# Altium PCB 松菸_幻影光靈_屍禁_提燈.PcbDoc
Units mil, origin at the board's own origin, x right, y up, seen from the top; angles counter-clockwise.
Board outline 3937.01 x 3937.01 mil, 4 copper layers (Top Layer, Layer 1, Layer 2, Bottom Layer), stack 23.756 mil thick; 33 components, 29 nets, 217 pads, 23 vias.
Unrouted connection lines stored in the file: 4.
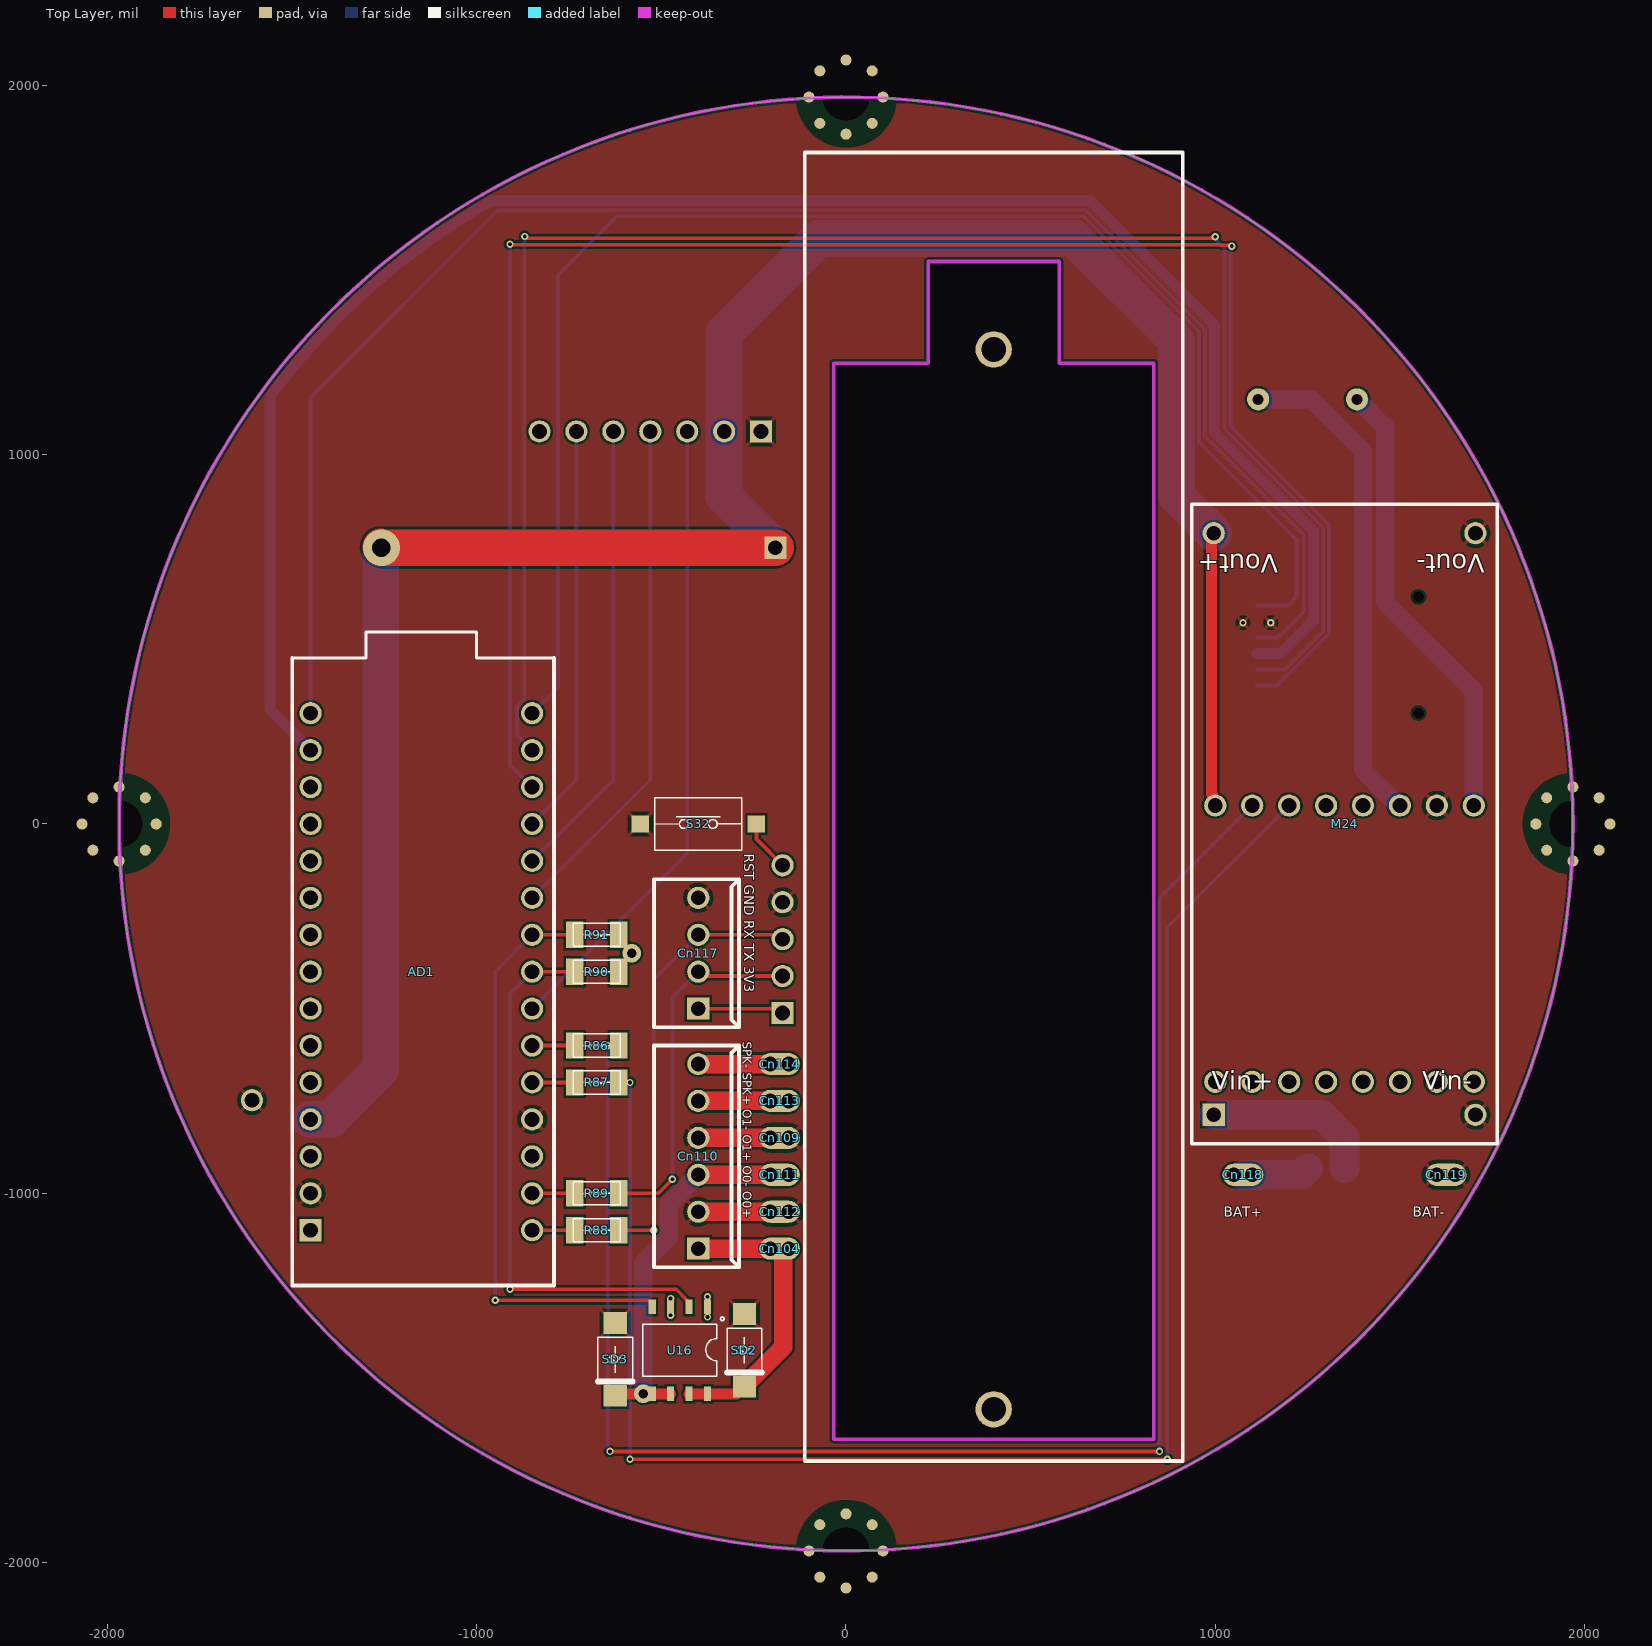
[diagram p0: Top Layer view]
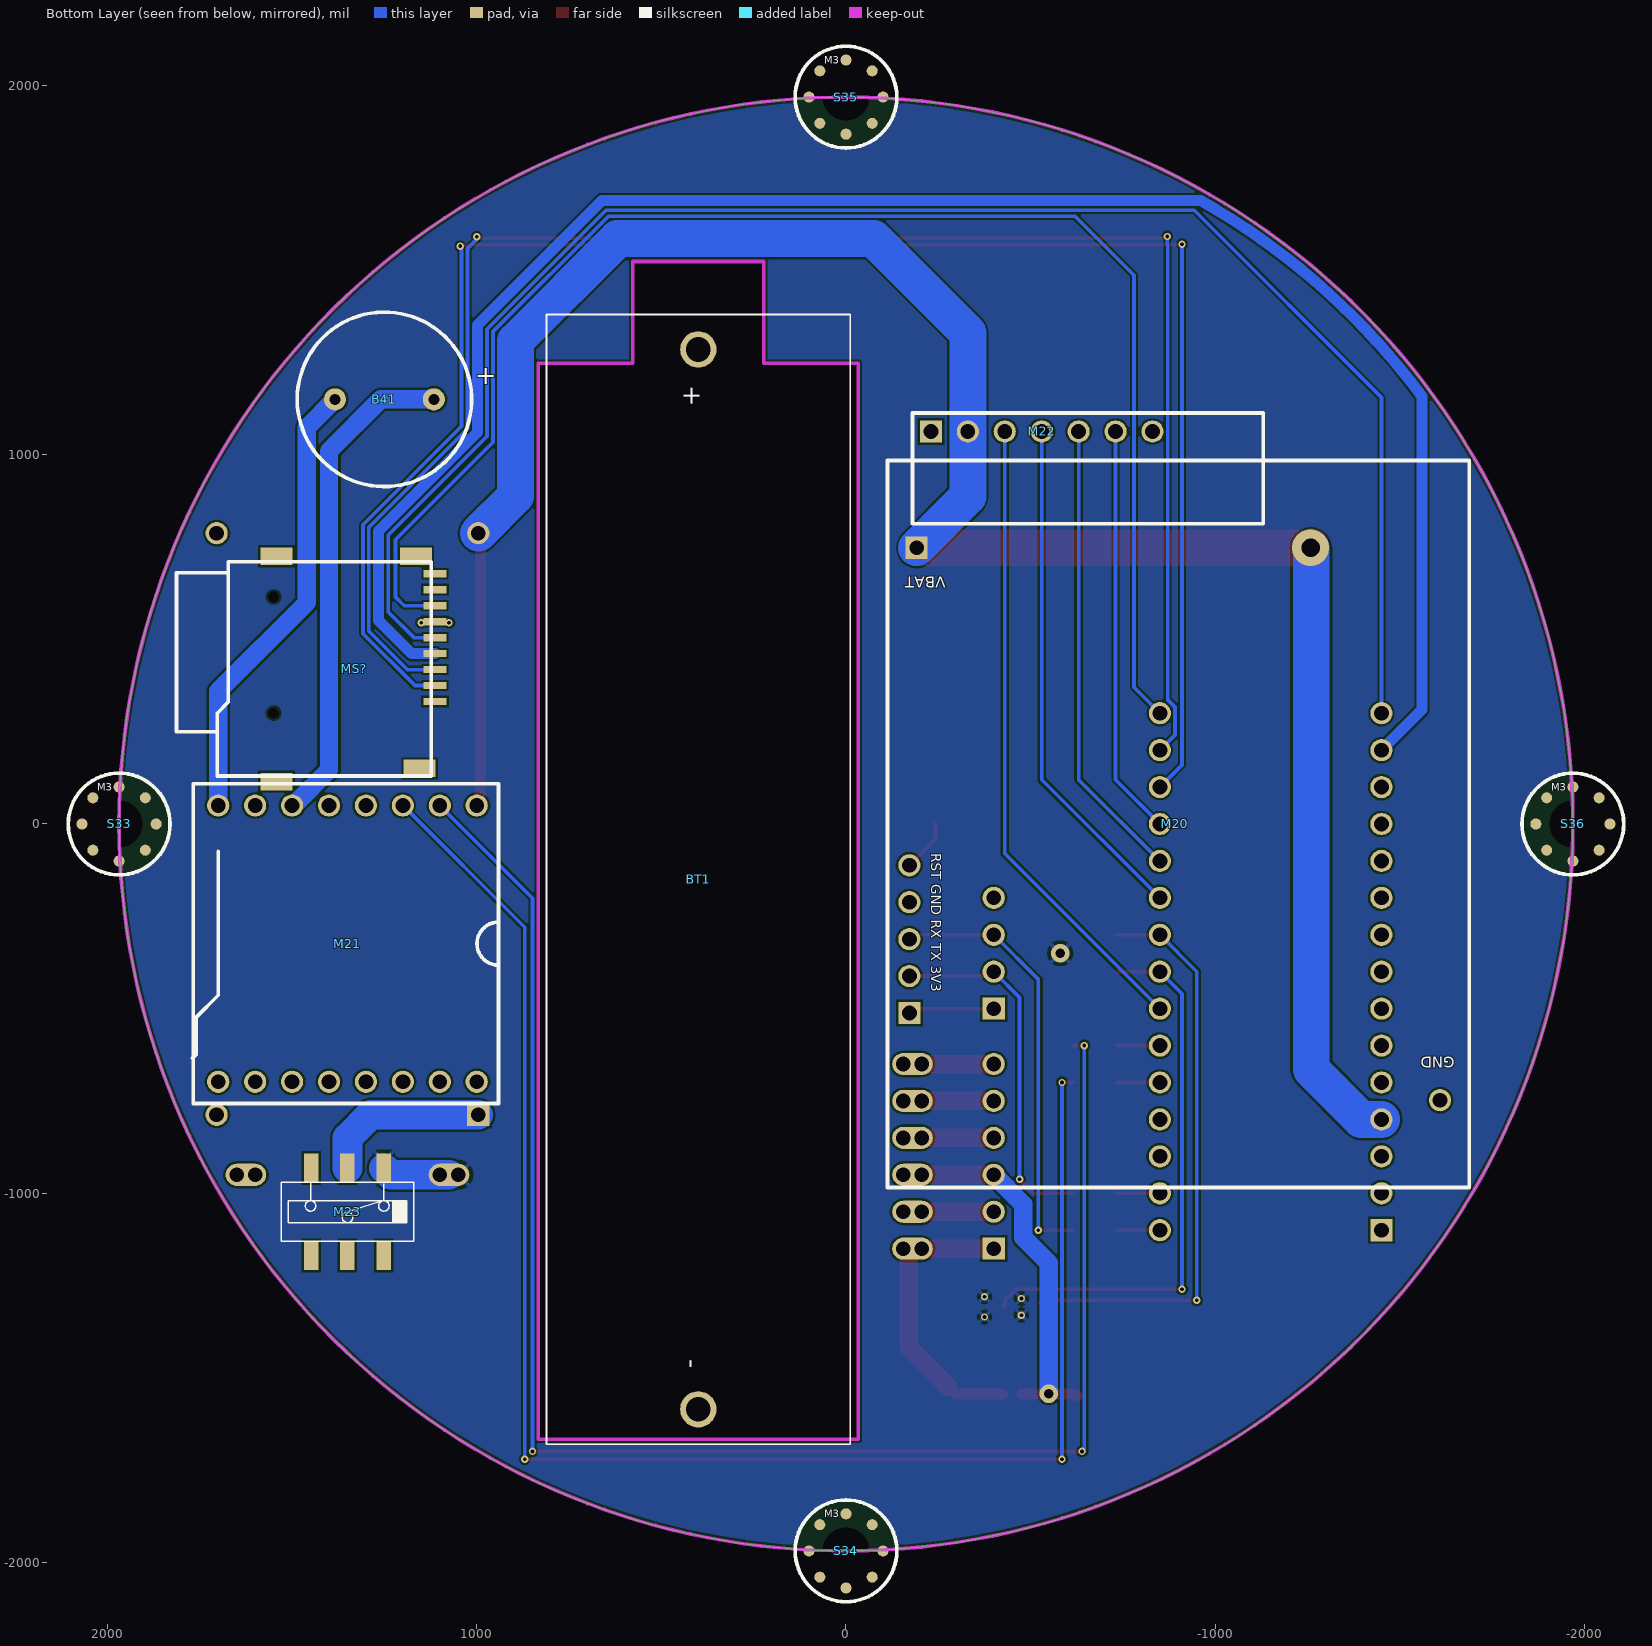
[diagram p1: Bottom Layer view, seen from below]

## Layer stack, top to bottom
Top Solder: solder mask 0.4, Solder Resist, Dk 3.5
Top Layer: signal copper 1.4
Dielectric 2: prepreg 2.8, PP-006, Dk 4.1
Layer 1: signal copper 1.378
Dielectric 1: dielectric 12.6, FR-4, Dk 4.8
Layer 2: signal copper 1.378
Dielectric 3: prepreg 2.8, PP-006, Dk 4.1
Bottom Layer: signal copper 1.4
Bottom Solder: solder mask 0.4, Solder Resist, Dk 3.5

## Board outline
-1968.5,0 ccw(c0,0) 0,-1968.5 ccw(c0,0) 1968.51,0 ccw(c0,0) 0,1968.51 ccw(c0,0)
cut-out: -33.07,-1665.75 -33.07,1247.64 222.83,1247.64 222.83,1523.23 577.17,1523.23 577.17,1247.64 833.07,1247.64 833.07,-1665.75

## Design rules (kind name [scope] priority, off if disabled: settings)
Clearance [All] p1: gap=6 ignorepadtopadclearanceinfootprint=FALSE
ComponentClearance [All] p1: gap=0 collisioncheckmode=3 verticalgap=0 showdistances=FALSE
DiffPairsRouting [All] p1: maxlimit=10 minlimit=10 mostfreqgap=10 toplayer_minwidth=6 toplayer_maxwidth=15 toplayer_prefwidth=15 midlayer1_minwidth=6 midlayer1_maxwidth=15 midlayer1_prefwidth=15 midlayer2_minwidth=6 midlayer2_maxwidth=15 midlayer2_prefwidth=15 bottomlayer_minwidth=6 bottomlayer_maxwidth=15 bottomlayer_prefwidth=15 maxuncoupledlength=500
Height [All] p1: minheight=0 maxheight=2000 prefheight=500
PolygonConnect [All] p1: connectstyle=Relief reliefconductorwidth=10 reliefentries=4 polygonreliefangle="45 Angle" airgapwidth=10
RoutingVias [All] p1: holewidth=28 width=50 viastyle="Through Hole" minholewidth=10 minwidth=20 maxholewidth=50 maxwidth=100
SolderMaskExpansion [All] p1: expansion=4 istentingtop=FALSE
Width [All] p1: maxlimit=100 minlimit=6 preferedwidth=10 minimp=50.000000 maximp=50.000000 favimp=50.000000
27 further rules are at their usual default settings.

## Components (designator, comment, footprint, x,y, rotation, side; value= is the part's Value field where it differs from the comment)
AD1 "Arduino NANO" "Arduino NANO" -850,-1100 r180 top
B41 "FMB1275-05" Buzzer_12085 1250,1150 r180 bottom
BT1 "18650" Battery_18650 400,-150 r270 bottom
Cn104 "Contact" "Conntact_Stamp hole_0.6\"" -155,-1150 r270 top
Cn109 "Contact" "Conntact_Stamp hole_0.6\"" -155,-850 r270 top
Cn110 "KF2510-6" Connector_KF2510-6A -400,-1150 r180 top
Cn111 "Contact" "Conntact_Stamp hole_0.6\"" -155,-950 r270 top
Cn112 "Contact" "Conntact_Stamp hole_0.6\"" -155,-1050 r270 top
Cn113 "Contact" "Conntact_Stamp hole_0.6\"" -155,-750 r270 top
Cn114 "Contact" "Conntact_Stamp hole_0.6\"" -155,-650 r270 top
Cn117 "KF2510-4" Connector_KF2510-4A -400,-500 r180 top
Cn118 "Contact" "Conntact_Stamp hole_0.6\"" 1050,-950 r90 top
Cn119 "Contact" "Conntact_Stamp hole_0.6\"" 1600,-950 r90 top
M20 "HH_W600_V2.0" HH_W600_V2.0 -900,0 r0 bottom
M21 "mp3-tf-16p" BY8001-16P 1000,-324.02 r270 bottom
M22 "XR390" "XR390 Module" -229.92,1062.99 r0 bottom
M23 "MST22D18G2" Switch_MST22D18G2 1350,-1050 r0 bottom
M24 "LM2596" "LM2596 Module" 1350,0 r90 top
MS? "Interface_MicroSD card slot" "Interface_MicroSD card slot" 1112.99,416.14 r90 bottom
R86 "1K" Res-1206 -675,-600 r180 top
R87 "1K" Res-1206 -675,-700 r180 top
R88 "1K" Res-1206 -675,-1100 r180 top
R89 "1K" Res-1206 -675,-1000 r180 top
R90 "1K" Res-1206 -675,-400 r180 top
R91 "1K" Res-1206 -675,-300 r180 top
S32 "Switch" "Switch SMD-3.6*6*2.5" -400,0 r0 top
S33 "M3" "Screw M3" 1968.5,0 r180 bottom
S34 "M3" "Screw M3" 0,-1968.5 r180 bottom
S35 "M3" "Screw M3" 0,1968.5 r180 bottom
S36 "M3" "Screw M3" -1968.5,0 r180 bottom
SD2 "SS56" Diode_SMA -275,-1425 r90 top
SD3 "SS56" Diode_SMA -625,-1450 r90 top
U16 "AO4801" SOP-8 -450,-1425 r270 top

## Footprints (in the part's own frame and the unit in brackets; to place one, negate y for a bottom-side part, rotate by r counter-clockwise, add the part's x,y. Pads: shape width x height; smd on the part's side, far side on the other; paste and mask are expansions set on the pad)
"Arduino NANO" [mil] "Arduino單晶片"
  rect 60x60 hole 40: 1(600,0)
  round 60 hole 40: 2(0,-300) 2(600,-100) 3(600,-300) 4(0,-200) 4(600,-200) 5(600,-1300) 6(600,-1200) 7(0,-100) 8(0,0) 9(0,-400) 10(0,-500) 11(0,-600) 12(0,-700) 13(0,-800) 14(0,-900) 15(0,-1000) 16(0,-1100) 17(0,-1200) 18(0,-1300) 19(0,-1400) 20(600,-1400) 21(600,-1100) 22(600,-1000) 23(600,-900) 24(600,-800) 25(600,-700) 26(600,-600) 27(600,-500) 28(600,-400)
  silkscreen extent -59,-1620 650,150, body extent -59,-1622 650,150, height 831
Battery_18650 [mm] "3.7V充電離電池"
  round 2.5 hole 1.7: 1(-36.45,0) 2(36.45,0)
  silkscreen extent -38.85,-10.45 38.85,10.45, body extent -38.48,-10.49 38.48,10.49, height 21.91
Buzzer_12085 [mil] "蜂鳴器"
  round 60 hole 30: 1(133.86,0) 2(-133.86,0)
  silkscreen extent -236,-236 236,236
BY8001-16P [mil] "TTL Serial MP3播放模組"
  round 60 hole 40: 1(-374.02,0) 2(-374.02,-100) 3(-374.02,-200) 4(-374.02,-300) 5(-374.02,-400) 6(-374.02,-500) 7(-374.02,-600) 8(-374.02,-700) 9(374.02,-700) 10(374.02,-600) 11(374.02,-500) 12(374.02,-400) 13(374.02,-300) 14(374.02,-200) 15(374.02,-100) 16(374.02,0)
  silkscreen extent -433,-770 433,59
Connector_KF2510-4A [mil] "防呆接頭(4P)"
  rect 60x60 hole 40: 1(0,0)
  round 60 hole 40: 2(0,-100) 3(0,-200) 4(0,-300)
  silkscreen extent -110,-350 120,50, body extent -114,-348 114,50, height 461
Connector_KF2510-6A [mil] "防呆接頭(6P)"
  rect 60x60 hole 40: 1(0,0)
  round 60 hole 40: 2(0,-100) 3(0,-200) 4(0,-300) 5(0,-400) 6(0,-500)
  silkscreen extent -110,-550 120,50, body extent -110,-549 118,49, height 124
"Conntact_Stamp hole_0.6\"" [mil] "郵票孔60mil"
  round 60 hole 40: 1(0,0) 1(0,-50)
  oval 60x110 all layers, no hole: 1(0,-25)
Diode_SMA [mm] "二極體 SMA"
  rect 1.5x1.6 smd: 1(-2.5,0) 2(2.5,0)
  silkscreen extent -1.52,-1.2 1.52,1.2, body extent -2.54,-1.29 2.54,1.29, height 2.65
HH_W600_V2.0 [mil] "舞鈴劇場_HH_W600_V2.0"
  rect 60x60 hole 40: 1(728.35,511.81) 6(708.66,-748.03)
  round 60 hole 40: 2(728.35,411.81) 3(728.35,311.81) 4(728.35,211.81) 5(728.35,111.81) 7(-708.66,748.03)
  silkscreen extent -787,-984 787,984
"Interface_MicroSD card slot" [mm] "Micro SD卡座"
  rect 0.5x1.6 smd: 1(-2.15,0) 2(-1.05,0) 3(0.05,0) 4(1.15,0) 5(2.25,0) 6(3.35,0) 7(4.45,0) 8(5.55,0) 9(6.65,0)
  rect 1.2x2.2 smd: 10(-7.65,10.9) 10(-6.75,1.05) 10(7.85,1.3) 10(7.85,10.9)
  round 0 hole 0.75: 10(-2.95,11.1) 10(5.05,11.1)
  silkscreen extent -7.27,0.25 7.47,17.78, body extent -7.9,-0.12 8.1,17.78, height 1.85
"LM2596 Module" [mil] "電源模組"
  rect 60x60 hole 40: 1(-787.4,354.33)
  round 60 hole 40: 2(-787.4,-354.33) 3(787.4,-354.33) 4(787.4,354.33)
  silkscreen extent -866,-413 866,413, body extent -866,-413 866,413, height 609
Res-1206 [mm] "1/4W電阻 SMD"
  rect 1.2x1.8 smd: 1(-1.5,0) 2(1.5,0)
  silkscreen extent -1.6,-0.8 1.6,0.8, body extent -1.6,-0.8 1.6,0.8, height 0.75
"Screw M3" [mil] "螺絲 M3"
  round 30 smd far side: 1(-100.39,0) 1(-70.99,-70.99) 1(-70.99,70.99) 1(0,-100.39) 1(0,100.39) 1(70.99,-70.99) 1(70.99,70.99) 1(100.39,0)
  round 30 smd: 1(-100.39,0) 1(-70.99,-70.99) 1(-70.99,70.99) 1(0,-100.39) 1(0,100.39) 1(70.99,-70.99) 1(70.99,70.99) 1(100.39,0)
  round 118.11 hole 125.98: 1(0,0)
  Multi-Layer pour cut-out: -1.1,-137.13 -53.83,-126.64 -98.54,-96.77 -128.41,-52.07 -138.9,0.67 -138.9,0.67 -128.41,53.4 -98.54,98.1 -53.83,127.97 -1.1,138.46 -1.1,138.46 51.63,127.97 96.33,98.1 126.2,53.4 136.69,0.67 136.69,0.67 126.2,-52.07 96.33,-96.77 51.63,-126.64 -1.1,-137.13
  silkscreen extent -138,-138 138,138, body extent -108,-108 108,108, height 118
SOP-8 [mm]
  rect 1x0.5 smd: 1(-3,1.905) 2(-3,0.635) 3(-3,-0.635) 4(-3,-1.905) 5(3,-1.905) 6(3,-0.635) 7(3,0.635) 8(3,1.905)
  silkscreen extent -2.29,-2.54 1.8,3.05, body extent -3.02,-2.51 3.02,2.51, height 1.6
"Switch SMD-3.6*6*2.5" [mm] "按鍵開關"
  rect 1.2x1.2 smd: 1(-4,0) 2(4,0)
  silkscreen extent -3,-1.8 3,1.8, body extent -4,-1.8 4,1.8, height 2.6
Switch_MST22D18G2 [mm] "2檔滑動開關"
  rect 1x2 smd: 1(0,-3) 2(-2.5,-3) 3(2.5,-3) 4(0,3) 5(-2.5,3) 6(2.5,3)
  silkscreen extent -4.55,-2.03 4.55,2.03, body extent -4.53,-3.5 4.52,3.4, height 5.45
"XR390 Module" [mil] "遙控器模組"
  rect 60x60 hole 40: 1(0,0)
  round 60 hole 40: 2(-100,0) 3(-200,0) 4(-300,0) 5(-400,0) 6(-500,0) 7(-600,0)
  silkscreen extent -900,-50 50,250

## Part data
AD1: "單晶片"
B41: library part Buzzer, "無源蜂鳴器"
BT1: library part Battery, "電池"
Cn104 Cn109 Cn111 Cn112 Cn113 Cn114 Cn118 Cn119: library part Conntact, "接線端子、接點、郵票孔(非焊接元件)"
Cn110: library part Conntact(6P), "連接器"
Cn117: library part Conntact(4P), "連接器"
M21: library part "Mini MP3 Player", "TTL通訊SD卡撥放mp3模組", ComponentLink1Description=datasheet, ComponentLink1URL=http://www.electronicoscaldas.com/datasheet/DFR0299-DFPlayer-Mini-Manual.pdf
M22: "遙控器模組"
M23: library part Switch_Slide_2, "開關_滑動_2通道"
M24: library part LM2596_Moduld, "DC to DC 降壓模組"
MS?: "Micro SD 卡座"
R86 R87 R88 R89 R90 R91: library part Res, "電阻"
S32: "開關_按鍵"
S33 S34 S35 S36: library part Screw, "螺絲(非焊接元件)"
SD2 SD3: library part Diode_Schottky, "二極體_蕭特基"
U16: library part "MOS_Dual P_AO4801", "MOS,雙PMOS"

## Via types
v1: diameter 20, hole 10, Top Layer to Bottom Layer, tented both sides, 20 vias
v2: diameter 50, hole 25, Top Layer to Bottom Layer, tented both sides, 2 vias
v3: diameter 100, hole 50, Top Layer to Bottom Layer, tented both sides, 1 vias

## Nets (pads, with @x,y where several pads share a name; then routed paths per layer and width w, separated by ;. In a path a pad name is that pad's centre, name@x,y a point inside that pad or via, vN(x,y) a via of type N, cw(c..) or ccw(c..) an arc to the next point about the centre after c; other vN are vias at no path point)
328P_MI: AD1.19 MS?.7 | length 4091.4
  Bottom Layer w10: AD1.19 -780,370 -780,1486 -620,1646 643.49,1646 956,1333.49 956,1034 1220,770 1220,615 1196.34,591.34 MS?.7
328P_MO: AD1.18 MS?.3 | length 4698.5
  Top Layer w10: v1(-870,1591) -867.29,1591 -862.29,1586 989.14,1586 991.23,1588.09 998.09,1588.09 v1(1000,1590)
  Bottom Layer w10: v1(-870,1591) -870,1570 -870.92,1569.08 -870.92,337.06 -891,316.98 -891,241 AD1.18 ; v1@1001.91,1587.91 1001.91,1581.23 1025,1558.14 1025,1070.66 1292,803.66 1292,522 1188.11,418.11 MS?.3
328P_RX: Cn117.2 M20.2 R89.1 | length 985.9
  Top Layer w10: R89.1 -507.99,-1000 v1(-470,-962.02) ; Cn117.2 -386.47,-400 -374.66,-411.81 M20.2
  Bottom Layer w10: v1(-470,-962.02) -470,-470 Cn117.2
328P_RX2: M21.3 R87.1 | length 4402.7
  Top Layer w10: R87.1 v1(-585,-700) ; v1(-585,-1720.07) 869.93,-1720.07 v1(870,-1720)
  Bottom Layer w10: -585,-1710 v1(-585,-700) ; v1(870,-1720) 870.07,-1719.93 870.07,-279.93 M21.3
328P_SCK: AD1.20 MS?.5 | length 4652.6
  Bottom Layer w10: AD1.20 -1450,1155 -943,1662 650.12,1662 972,1340.12 972,1050.12 1240,782.12 1240,575 1169.72,504.72 MS?.5
328P_SS: AD1.17 MS?.2 | length 4854.4
  Top Layer w10: v1(-910,1570) -909,1569 1014.14,1569 1016.23,1566.91 1043.09,1566.91 v1(1045,1565)
  Bottom Layer w10: v1(-910,1570) -910,160 AD1.17 ; 1041,1554.04 1041,1077.28 1308,810.28 1308,515.37 1167.43,374.8 MS?.2
328P_TX: Cn117.3 M20.3 R88.1 | length 1178.3
  Top Layer w10: R88.1 v1(-521,-1100) ; Cn117.3 -196.99,-300 -185.18,-311.81 M20.3
  Bottom Layer w10: v1(-521,-1100) -521,-421 Cn117.3
328P_TX2: M21.2 R86.1 | length 4469.7
  Top Layer w10: v1(-645.47,-600) R86.1 ; v1(-639.07,-1699.07) v1(849.07,-1699.07)
  Bottom Layer w10: v1@-645.47,-1699.07 v1(-645.47,-600) ; v1(849.07,-1699.07) 849.07,-200.93 M21.2
+3.3: AD1.5 MS?.4 | length 5008.7
  Bottom Layer w30: AD1.5 -1560,310 -1560,1157.46 cw(c0,0) -961.24,1688 660.89,1688 998,1350.89 998,1060.89 1266,792.89 1266,551 1176.42,461.42 MS?.4
+5: AD1.3 M20.6 M21.1 M22.2 M24.4 | length 6120.5
  Top Layer w30: M24.4@990,790 990,81.21 994.26,76.95 994.26,55.74 M21.1
  Top Layer w100: v3@-1260,750 v3(-1258.03,748.03) M20.6
  Bottom Layer w100: AD1.3 -1395,-800 -1260,-665 -1260,746.06 v3(-1258.03,748.03) ; M20.6 -329.92,886.61 M22.2 -329.92,1330.08 -75,1585 618.22,1585 895,1308.22 895,888.07 M24.4
+BAT: BT1.1 Cn118.1 M23.2 R90.1 R91.1 U16.1 U16.3 | length 184.1
  Bottom Layer w80: Cn118.1@1075,-950 1100,-950 1233.46,-950 M23.2
  other v1: -375,-1335 -475,-1330 -475,-1285 -375,-1280
  other v2: -580,-350
Dout_0: AD1.12 R90.2 U16.2 | length 1512.2
  Top Layer w10: v1(-910,-1260) -460,-1260 -429.84,-1290.16 -429.84,-1302.05 U16.2 ; AD1.12 R90.2
  Bottom Layer w10: v1(-910,-1260) -910,-460 AD1.12
Dout_1: AD1.13 R91.2 U16.4 | length 1575.3
  Top Layer w10: v1(-950,-1290) -535.7,-1290 -533.5,-1292.2 -529.84,-1292.2 U16.4@-525,-1297.05 ; AD1.13 R91.2
  Bottom Layer w10: v1(-950,-1290) -950,-400 AD1.13
Lingth+: Cn104.1 Cn110.1 SD2.1 U16.7 U16.8 | length 721.2
  Top Layer w30: U16.7 U16.8 -296.67,-1543.11 SD2.1@-276.97,-1523.42
  Top Layer w50: Cn110.1 Cn104.1@-225,-1150 ; SD2.1@-276.97,-1523.42 SD2.1 -273.04,-1523.42 -268.51,-1518.89 -268.51,-1514.95 -170,-1416.44 Cn104.1@-170,-1180
Lingth-: AD1.2 BT1.2 Cn109.1 Cn110.2 Cn110.4 Cn112.1 Cn117.4 Cn119.1 M20.4 M20.7 M21.7 M22.1 M24.2 M24.3 MS?.6 S32.1 SD2.2 SD3.2 | length 350
  Top Layer w50: Cn110.2 Cn112.1@-225,-1050 ; Cn110.4 Cn109.1@-225,-850
  other v1: 1075,545 1150,545
NetAD1_7: AD1.7 R89.2 | length 115.9
  Top Layer w10: AD1.7 R89.2
NetAD1_8: AD1.8 R88.2 | length 115.9
  Top Layer w10: AD1.8 R88.2
NetAD1_9: AD1.9 R87.2 | length 115.9
  Top Layer w10: AD1.9 R87.2
NetAD1_10: AD1.10 R86.2 | length 115.9
  Top Layer w10: AD1.10 R86.2
NetCn117_1: Cn117.1 M20.1 | length 233.2
  Top Layer w10: Cn117.1 -183.46,-500 M20.1
NetM20_5: M20.5 S32.2 | length 141.2
  Top Layer w10: S32.2 -242.52,-40.94 M20.5
NetM23_1: M23.1 M24.1 | length 462.1
  Bottom Layer w80: M24.1 1287.4,-787.4 1350,-850 M23.1
Shock+: Cn110.3 Cn111.1 SD3.1 U16.5 U16.6 | length 982
  Top Layer w30: SD3.1 -619.7,-1543.11 U16.5 U16.6
  Top Layer w50: Cn110.3 Cn111.1@-225,-950
  Bottom Layer w50: v2(-549,-1543.11) -549,-1189 -480,-1120 -480,-1030 Cn110.3
SPK1: B41.1 Cn110.5 Cn113.1 M21.6 | length 1520.4
  Top Layer w50: Cn110.5 Cn113.1@-225,-750
  Bottom Layer w50: B41.1 1260,1150 1400,1010 1400,146.32 1485.98,60.34 1486.96,60.34 1497.29,50 M21.6
SPK2: B41.2 Cn110.6 Cn114.1 M21.8 | length 1456
  Top Layer w50: Cn110.6 Cn114.1@-225,-650 ; Cn114.1@-205,-650 -180,-650 Cn114.1@-155,-650
  Bottom Layer w50: B41.2 1460,1073.86 1460,600 1700,360 M21.8
遙控_點動_0: AD1.11 M22.3 | length 1737
  Bottom Layer w10: AD1.11 -429.92,-79.92 M22.3
遙控_點動_1: AD1.14 M22.4 | length 1395.6
  Bottom Layer w10: AD1.14 -529.92,120.08 M22.4
遙控_點動_2: AD1.15 M22.5 | length 1254.2
  Bottom Layer w10: AD1.15 -629.92,120.08 M22.5
遙控_點動_3: AD1.16 M22.6 | length 1112.7
  Bottom Layer w10: AD1.16 -729.92,120.08 M22.6
pads on no net: AD1.1 AD1.4 AD1.6 AD1.21 AD1.22 AD1.23 AD1.24 AD1.25 AD1.26 AD1.27 AD1.28 M21.4 M21.5 M21.9 M21.10 M21.11 M21.12 M21.13 M21.14 M21.15 M21.16 M22.7 M23.3 M23.4 M23.5 M23.6 MS?.1 MS?.8 MS?.9 MS?.10 S33.1 S34.1 S35.1 S36.1

## Polygon pours and split planes (outlines as drawn)
Lingth- on Top Layer "LINGTH-_L01_P000" (solid, pour order 0): -1968.5,0 ccw(c0,0) 0,-1968.5 ccw(c0,0) 1968.5,0 ccw(c0,0) 0,1968.51 ccw(c0,0)
+BAT on Bottom Layer "+BAT_L04_P001" (solid, pour order 1): -1968.5,0 ccw(c0,0) 0,-1968.5 ccw(c0,0) 1968.5,0 ccw(c0,0) 0,1968.51 ccw(c0,0)

## Keep-outs
Keep-Out Layer:
  circle w10: c0,0 r1968.5
  lines w10: -33.07,-1665.75 -33.07,1247.64 222.83,1247.64 222.83,1523.23 577.17,1523.23 577.17,1247.64 833.07,1247.64 833.07,-1665.75 -33.07,-1665.75

## Silkscreen, mask and mechanical layers (free items; w line width, h text height)
Top Overlay:
  lines w10: -111.81,-1724.8 911.81,-1724.8 911.81,1818.5 -111.81,1818.5 -111.81,-1724.8
  text "RST GND RX TX 3V3" at -275,-80 h27 r270
  text "SPK- SPK+ O1- O1+ O0- O0+" at -280,-590 h24 r270
  text "BAT+" at 1023.62,-1062.99 h27
  text "BAT-" at 1535.43,-1062.99 h27

## Text inside footprints (layer, text, board x,y; h text height)
B41: Bottom Overlay "+" at 1003.78,1191.04 h50
BT1: Bottom Overlay "+" at 439.37,1188.58 h50 r90; Bottom Overlay "-" at 439.37,-1449.21 h50 r90
M20: Bottom Overlay "VBAT" at -270.08,669.29 h30 r180; Bottom Overlay "GND" at -1648.03,-629.92 h30 r180; Bottom Overlay "RST GND RX TX 3V3" at -230.71,-78.74 h27 r90
M24: Top Overlay "Vout-" at 1730,730 h50 r180; Top Overlay "Vout+" at 1170,730 h50 r180; Top Overlay "Vin-" at 1560,-720 h50; Top Overlay "Vin+" at 990,-720 h50